# Allegro board 6089-103-RevA_73.brd (continued)
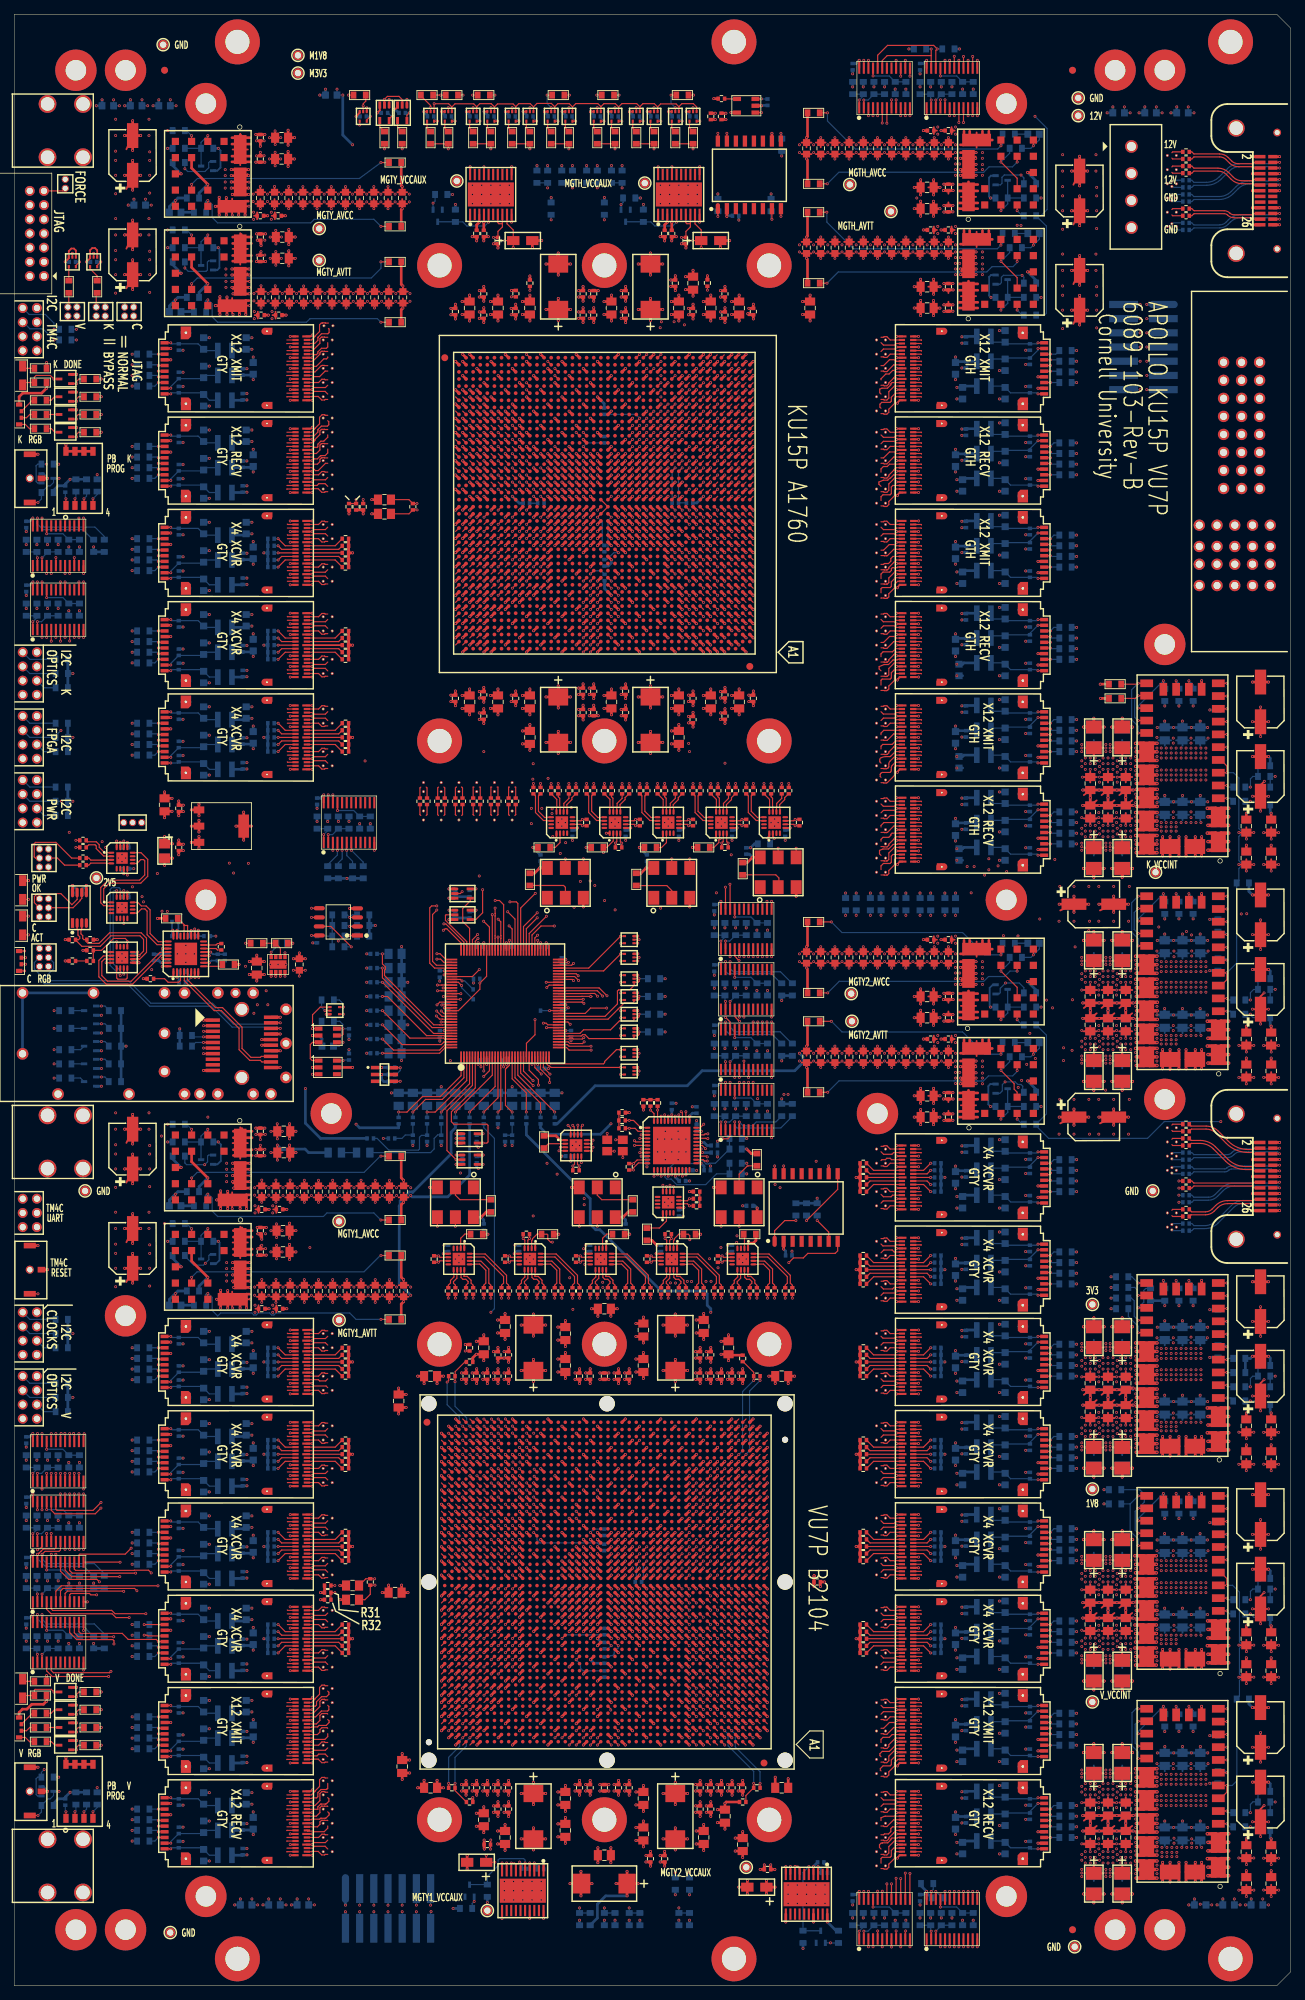
[diagram p0: board, top side]
## Nets (continued)
K_MGTY_AVCC: C18.1 C19.1 C32.1 C36.1 C48.1 C53.1 C57.1 C61.1 C65.1 C69.1 C74.1 C79.1 C85.1 C152.1 C154.1 C177.1 C180.1 C185.1 C188.1 PM6.1 R74.2 R516.1 U15.3 U65.AA32 U65.AE32 U65.AF30 U65.AG32 U65.L32 U65.M30 U65.R32 U65.T30 U65.U32 U65.V30 U65.W32 U65.Y30
K_MGTY_AVCC_OK: R589.2 U15.9 U52.76
K_MGTY_AVTT: C26.1 C27.1 C33.1 C37.1 C49.1 C54.1 C58.1 C62.1 C66.1 C70.1 C75.1 C80.1 C87.1 C99.1 C100.1 C107.1 C108.1 C118.1 C119.1 PM2.1 R76.2 R489.2 R517.1 U16.3 U65.AA36 U65.AB34 U65.AC36 U65.AD34 U65.AE36 U65.AF34 U65.AG36 U65.AH34 U65.AJ36 U65.AK34 U65.AL36 U65.AM34 U65.AN36 U65.J36 U65.K34 U65.L36 U65.M34 U65.N36 U65.P34 U65.R36 U65.T34 U65.T38 U65.U36 U65.V34 U65.V38 U65.W36 U65.Y34 U65.Y38
K_MGTY_AVTT_OK: R592.2 U16.9 U52.77
K_MGTY_VCCAUX: C129.1 C146.1 C147.1 C150.1 PM7.1 R515.1 U51.7(SENSE) U51.8 U51.9 U65.AC32 U65.AD30 U65.N32 U65.P30
K_OPTICS_I2C_SCL: J3.2 U2.22 U100.22
K_OPTICS_I2C_SDA: J3.4 U2.23 U100.23
K_TCK_1V8: R123.2 R130.2 U65.AK15
K_TDI: J14.2 U65.AJ15
K_TDO: J14.4 U65.AK16
K_TMS_1V8: R98.2 R101.2 U65.AJ17
K_VCCINT: C153.1 C163.1 C164.1 C178.1 C179.1 C186.1 C187.1 C198.1 C199.1 C207.1 C208.1 C223.1 C224.1 C239.1 C383.1 C384.1 C385.1 C386.1 C393.1 C394.1 C396.1 C397.1 C405.1 C406.1 C407.1 C408.1 C415.1 C416.1 C417.1 C418.1 C425.1 C426.1 C427.1 C428.1 C481.1 C482.1 C483.1 C484.1 C507.1 C508.1 C509.1 C510.1 C517.1 C518.1 C519.1 C520.1 C528.1 C529.1 C530.1 C531.1 C538.1 C539.1 C540.1 C541.1 C549.1 C550.1 C551.1 C552.1 C559.1 C560.1 C561.1 C562.1 C569.1 C570.1 C571.1 C572.1 PM9.1 R191.2 R482.1 R513.1 U65.AA14 U65.AA16 U65.AA18 U65.AA20 U65.AA24 U65.AA26 U65.AB15 U65.AB17 U65.AB19 U65.AB23 U65.AB25 U65.AC14 U65.AC16 U65.AC18 U65.AC20 U65.AC24 U65.AC26 U65.AD15 U65.AD17 U65.AD19 U65.AD21 U65.AD23 U65.AD25 U65.AE14 U65.AE16 U65.AE18 U65.AE20 U65.AE22 U65.AE24 U65.AE26 U65.AF15 U65.AF17 U65.AF19 U65.AF21 U65.AF23 U65.AF25 U65.AG14 U65.AG16 U65.AG18 U65.AG20 U65.AG22 U65.AG24 U65.AG26 U65.AH15 U65.AH17 U65.AH19 U65.AH21 U65.AH23 U65.AH25 U65.T15 U65.T17 U65.T19 U65.T21 U65.T23 U65.T25 U65.U14 U65.U16 U65.U18 U65.U20 U65.U22 U65.U24 U65.U26 U65.V15 U65.V17 U65.V19 U65.V21 U65.V23 U65.V25 U65.W14 U65.W16 U65.W18 U65.W20 U65.W22 U65.W24 U65.W26 U65.Y15 U65.Y17 U65.Y19 U65.Y23 U65.Y25 U122.22 U122.23 U122.25 U122.26 U123.22 U123.23 U123.25 U123.26
K_VCCINT_A_SCL: R388.1 U91.7 U122.10
K_VCCINT_A_SDA: R391.1 U91.6 U122.11
K_VCCINT_B_SCL: R380.1 U91.9 U123.10
K_VCCINT_B_SDA: R385.1 U91.8 U123.11
K_VCCINT_PG_A: U52.61 U69.4(Y)
K_VCCINT_PG_A_1: R195.2 R196.1 R216.2 U69.1
K_VCCINT_PG_A_2: R193.1 R194.2 R215.2 U69.2
K_VCCINT_PG_B: U52.60 U70.4(Y)
K_VCCINT_PG_B_1: R199.2 R200.1 R218.2 U70.1
K_VCCINT_PG_B_2: R197.1 R198.2 R217.2 U70.2
K_VCCINT_PWR_EN: R213.1 U71.4(Y) U122.5 U122.6 U123.5 U123.6
KU15P_FROM_TM4C_0: U46.4 U65.D22
KU15P_TO_TM4C_0: U45.2 U65.H22
NCDR_DAT_CML: R18.2 U8.3 U12.10
NCDR_DATA: J10.5 U8.6
NHIGH_PERF_CLK0: R127.2 U61.10 U83.7
NHIGH_PERF_CLK1: R97.2 U56.7 U61.12
NHIGH_PERF_CLK2: R147.2 U61.14 U87.7
NHIGH_PERF_CLK3: R125.2 U61.16 U68.7
NHIGH_PERF_CLK_BUF0: R110.1 U61.7 U80.12
NHIGH_PERF_CLK_BUF1: R121.1 U80.10 U81.11
NK_CDR_DATA: J10.4 U65.G24
NK_FF1_RECV0: U65.R3 U109.A17
NK_FF1_RECV1: U65.P1 U109.B17
NK_FF1_RECV2: U65.N3 U109.A14
NK_FF1_RECV3: U65.M1 U109.B14
NK_FF1_RECV4: U65.L3 U109.A11
NK_FF1_RECV5: U65.K1 U109.B11
NK_FF1_RECV6: U65.J3 U109.A8
NK_FF1_RECV7: U65.H1 U109.B8
NK_FF1_RECV8: U65.G3 U109.A5
NK_FF1_RECV9: U65.F1 U109.B5
NK_FF1_RECV10: U65.E3 U109.A2
NK_FF1_RECV11: U65.D1 U109.B2
NK_FF1_XMIT0: U65.R7 U108.B17
NK_FF1_XMIT1: U65.P5 U108.A17
NK_FF1_XMIT2: U65.N7 U108.B14
NK_FF1_XMIT3: U65.M5 U108.A14
NK_FF1_XMIT4: U65.L7 U108.B11
NK_FF1_XMIT5: U65.K5 U108.A11
NK_FF1_XMIT6: U65.J7 U108.B8
NK_FF1_XMIT7: U65.H5 U108.A8
NK_FF1_XMIT8: U65.H9 U108.B5
NK_FF1_XMIT9: U65.G7 U108.A5
NK_FF1_XMIT10: U65.F5 U108.B2
NK_FF1_XMIT11: U65.F9 U108.A2
NK_FF2_RECV0: U65.AG3 U107.A17
NK_FF2_RECV1: U65.AF1 U107.B17
NK_FF2_RECV2: U65.AE3 U107.A14
NK_FF2_RECV3: U65.AD1 U107.B14
NK_FF2_RECV4: U65.AC3 U107.A11
NK_FF2_RECV5: U65.AB1 U107.B11
NK_FF2_RECV6: U65.AA3 U107.A8
NK_FF2_RECV7: U65.Y1 U107.B8
NK_FF2_RECV8: U65.W3 U107.A5
NK_FF2_RECV9: U65.V1 U107.B5
NK_FF2_RECV10: U65.U3 U107.A2
NK_FF2_RECV11: U65.T1 U107.B2
NK_FF2_XMIT0: U65.AG7 U106.B17
NK_FF2_XMIT1: U65.AF5 U106.A17
NK_FF2_XMIT2: U65.AE7 U106.B14
NK_FF2_XMIT3: U65.AD5 U106.A14
NK_FF2_XMIT4: U65.AC7 U106.B11
NK_FF2_XMIT5: U65.AB5 U106.A11
NK_FF2_XMIT6: U65.AA7 U106.B8
NK_FF2_XMIT7: U65.Y5 U106.A8
NK_FF2_XMIT8: U65.W7 U106.B5
NK_FF2_XMIT9: U65.V5 U106.A5
NK_FF2_XMIT10: U65.U7 U106.B2
NK_FF2_XMIT11: U65.T5 U106.A2
NK_FF3_RECV0: U65.AW3 U105.A17
NK_FF3_RECV1: U65.AV1 U105.B17
NK_FF3_RECV2: U65.AU3 U105.A14
NK_FF3_RECV3: U65.AT1 U105.B14
NK_FF3_RECV4: U65.AR3 U105.A11
NK_FF3_RECV5: U65.AP1 U105.B11
NK_FF3_RECV6: U65.AN3 U105.A8
NK_FF3_RECV7: U65.AM1 U105.B8
NK_FF3_RECV8: U65.AL3 U105.A5
NK_FF3_RECV9: U65.AK1 U105.B5
NK_FF3_RECV10: U65.AJ3 U105.A2
NK_FF3_RECV11: U65.AH1 U105.B2
NK_FF3_XMIT0: U65.AT9 U104.B17
NK_FF3_XMIT1: U65.AT5 U104.A17
NK_FF3_XMIT2: U65.AR7 U104.B14
NK_FF3_XMIT3: U65.AP9 U104.A14
NK_FF3_XMIT4: U65.AP5 U104.B11
NK_FF3_XMIT5: U65.AN7 U104.A11
NK_FF3_XMIT6: U65.AM9 U104.B8
NK_FF3_XMIT7: U65.AM5 U104.A8
NK_FF3_XMIT8: U65.AL7 U104.B5
NK_FF3_XMIT9: U65.AK5 U104.A5
NK_FF3_XMIT10: U65.AJ7 U104.B2
NK_FF3_XMIT11: U65.AH5 U104.A2
NK_FF4_RECV0: U24.B18 U65.H42
NK_FF4_RECV1: U24.A18 U65.G40
NK_FF4_RECV2: U24.B15 U65.F42
NK_FF4_RECV3: U24.A15 U65.E40
NK_FF4_XMIT0: U24.A2 U65.P37
NK_FF4_XMIT1: U24.B2 U65.N35
NK_FF4_XMIT2: U24.A5 U65.M37
NK_FF4_XMIT3: U24.B5 U65.L35
NK_FF5_RECV0: U23.B18 U65.M42
NK_FF5_RECV1: U23.A18 U65.L40
NK_FF5_RECV2: U23.B15 U65.K42
NK_FF5_RECV3: U23.A15 U65.J40
NK_FF5_XMIT0: U23.A2 U65.U35
NK_FF5_XMIT1: U23.B2 U65.T37
NK_FF5_XMIT2: U23.A5 U65.R39
NK_FF5_XMIT3: U23.B5 U65.R35
NK_FF6_RECV0: U22.B18 U65.V42
NK_FF6_RECV1: U22.A18 U65.T42
NK_FF6_RECV2: U22.B15 U65.P42
NK_FF6_RECV3: U22.A15 U65.N40
NK_FF6_XMIT0: U22.A2 U65.W39
NK_FF6_XMIT1: U22.B2 U65.W35
NK_FF6_XMIT2: U22.A5 U65.V37
NK_FF6_XMIT3: U22.B5 U65.U39
NK_FF7_RECV0: U21.A17 U65.AE40
NK_FF7_RECV1: U21.B17 U65.AF42
NK_FF7_RECV2: U21.A14 U65.AG40
NK_FF7_RECV3: U21.B14 U65.AH42
NK_FF7_RECV4: U21.A11 U65.AJ40
NK_FF7_RECV5: U21.B11 U65.AK42
NK_FF7_RECV6: U21.A8 U65.AL40
NK_FF7_RECV7: U21.B8 U65.AM42
NK_FF7_RECV8: U21.A5 U65.AN40
NK_FF7_RECV9: U21.B5 U65.AP42
NK_FF7_RECV10: U21.A2 U65.AR40
NK_FF7_RECV11: U21.B2 U65.AT42
NK_FF7_XMIT0: U20.B17 U65.AC35
NK_FF7_XMIT1: U20.A17 U65.AD37
NK_FF7_XMIT2: U20.B14 U65.AE35
NK_FF7_XMIT3: U20.A14 U65.AF37
NK_FF7_XMIT4: U20.B11 U65.AF33
NK_FF7_XMIT5: U20.A11 U65.AG35
NK_FF7_XMIT6: U20.B8 U65.AH37
NK_FF7_XMIT7: U20.A8 U65.AH33
NK_FF7_XMIT8: U20.B5 U65.AJ35
NK_FF7_XMIT9: U20.A5 U65.AK37
NK_FF7_XMIT10: U20.B2 U65.AL35
NK_FF7_XMIT11: U20.A2 U65.AM37
NK_GTH_OSC: R152.1 U96.7 U97.5
NK_GTY_OSC: R112.1 U58.7 U59.5
NK_TEST_CONN_0: J18.3 U65.BB16
NK_TEST_CONN_1: J18.5 U65.BB14
NK_TEST_CONN_2: J18.7 U65.AY15
NK_TEST_CONN_3: J18.9 U65.AV14
NK_TEST_CONN_4: J18.11 U65.AR12
NK_TEST_CONN_5: J18.13 U65.AP12
NK_TTS_OUT: J11.4 U65.F23
NK_UTIL_CLK: R137.1 U79.7 U82.5
NKV_SPARE0: U65.B22 U66.BB34
NKV_SPARE1: U65.A23 U66.BC38
NKV_SPARE2: U65.B24 U66.AY36
NKV_SPARE3: U65.C21 U66.BD39
NKV_SPARE4: U65.D23 U66.AW33
NKV_SPARE5: U65.E21 U66.AW36
NKV_SPARE6: U65.J22 U66.BE36
NKV_SPARE7: U65.F20 U66.BE40
NKV_SPARE8: U65.E23 U66.AT34
NKV_SPARE9: U65.H20 U66.BF40
NKV_SPARE10: U65.L23 U66.BD34
NKV_SPARE11: U65.J20 U66.BF38
NKV_SPARE12: U65.K21 U66.BF37
NSYNTH_CLK0: R132.2 U81.19 U83.4
NSYNTH_CLK1: R100.2 U56.4 U81.24
NSYNTH_CLK2: R143.2 U81.30 U87.4
NSYNTH_CLK3: R117.2 U68.4 U81.35
NTTCIN: U13.12 U14.4
NTTCIN_CLK: U11.12 U14.25
NTTCIN_CLK1: U11.16 U12.7
NTTCIN_CLK2: U10.9 U11.2
NTTCIN_DAT: U12.3 U14.28
NTTS_OUT: J11.5 U13.19
NV_CDR_DATA: J10.6 U66.AP34
NV_FF1_RECV0: U66.AP1 U110.B18
NV_FF1_RECV1: U66.AR3 U110.A18
NV_FF1_RECV2: U66.AT1 U110.B15
NV_FF1_RECV3: U66.AU3 U110.A15
NV_FF1_XMIT0: U66.AP6 U110.A2
NV_FF1_XMIT1: U66.AR8 U110.B2
NV_FF1_XMIT2: U66.AT6 U110.A5
NV_FF1_XMIT3: U66.AU8 U110.B5
NV_FF2_RECV0: U66.AK1 U111.B18
NV_FF2_RECV1: U66.AL3 U111.A18
NV_FF2_RECV2: U66.AM1 U111.B15
NV_FF2_RECV3: U66.AN3 U111.A15
NV_FF2_XMIT0: U66.AK6 U111.A2
NV_FF2_XMIT1: U66.AL8 U111.B2
NV_FF2_XMIT2: U66.AM6 U111.A5
NV_FF2_XMIT3: U66.AN8 U111.B5
NV_FF3_RECV0: U66.AF1 U112.B18
NV_FF3_RECV1: U66.AG3 U112.A18
NV_FF3_RECV2: U66.AH1 U112.B15
NV_FF3_RECV3: U66.AJ3 U112.A15
NV_FF3_XMIT0: U66.AF6 U112.A2
NV_FF3_XMIT1: U66.AG8 U112.B2
NV_FF3_XMIT2: U66.AH6 U112.A5
NV_FF3_XMIT3: U66.AJ8 U112.B5
NV_FF4_RECV0: U66.AB1 U113.B18
NV_FF4_RECV1: U66.AC3 U113.A18
NV_FF4_RECV2: U66.AD1 U113.B15
NV_FF4_RECV3: U66.AE3 U113.A15
NV_FF4_XMIT0: U66.AB6 U113.A2
NV_FF4_XMIT1: U66.AC8 U113.B2
NV_FF4_XMIT2: U66.AD6 U113.A5
NV_FF4_XMIT3: U66.AE8 U113.B5
NV_FF5_RECV0: U66.V1 U114.B18
NV_FF5_RECV1: U66.W3 U114.A18
NV_FF5_RECV2: U66.Y1 U114.B15
NV_FF5_RECV3: U66.AA3 U114.A15
NV_FF5_XMIT0: U66.V6 U114.A2
NV_FF5_XMIT1: U66.W8 U114.B2
NV_FF5_XMIT2: U66.Y6 U114.A5
NV_FF5_XMIT3: U66.AA8 U114.B5
NV_FF6_RECV0: U66.P1 U115.B18
NV_FF6_RECV1: U66.R3 U115.A18
NV_FF6_RECV2: U66.T1 U115.B15
NV_FF6_RECV3: U66.U3 U115.A15
NV_FF6_XMIT0: U66.P6 U115.A2
NV_FF6_XMIT1: U66.R8 U115.B2
NV_FF6_XMIT2: U66.T6 U115.A5
NV_FF6_XMIT3: U66.U8 U115.B5
NV_FF7_RECV0: U25.B18 U66.AU46
NV_FF7_RECV1: U25.A18 U66.AT44
NV_FF7_RECV2: U25.B15 U66.AR46
NV_FF7_RECV3: U25.A15 U66.AP44
NV_FF7_XMIT0: U25.A2 U66.AU41
NV_FF7_XMIT1: U25.B2 U66.AT39
NV_FF7_XMIT2: U25.A5 U66.AR41
NV_FF7_XMIT3: U25.B5 U66.AP39
NV_FF8_RECV0: U26.B18 U66.AN46
NV_FF8_RECV1: U26.A18 U66.AM44
NV_FF8_RECV2: U26.B15 U66.AL46
NV_FF8_RECV3: U26.A15 U66.AK44
NV_FF8_XMIT0: U26.A2 U66.AN41
NV_FF8_XMIT1: U26.B2 U66.AM39
NV_FF8_XMIT2: U26.A5 U66.AL41
NV_FF8_XMIT3: U26.B5 U66.AK39
NV_FF9_RECV0: U27.B18 U66.AJ46
NV_FF9_RECV1: U27.A18 U66.AH44
NV_FF9_RECV2: U27.B15 U66.AG46
NV_FF9_RECV3: U27.A15 U66.AF44
NV_FF9_XMIT0: U27.A2 U66.AJ41
NV_FF9_XMIT1: U27.B2 U66.AH39
NV_FF9_XMIT2: U27.A5 U66.AG41
NV_FF9_XMIT3: U27.B5 U66.AF39
NV_FF10_RECV0: U28.B18 U66.AA46
NV_FF10_RECV1: U28.A18 U66.Y44
NV_FF10_RECV2: U28.B15 U66.W46
NV_FF10_RECV3: U28.A15 U66.V44
NV_FF10_XMIT0: U28.A2 U66.AA41
NV_FF10_XMIT1: U28.B2 U66.Y39
NV_FF10_XMIT2: U28.A5 U66.W41
NV_FF10_XMIT3: U28.B5 U66.V39
NV_FF11_RECV0: U66.N3 U117.A17
NV_FF11_RECV1: U66.M1 U117.B17
NV_FF11_RECV2: U66.L3 U117.A14
NV_FF11_RECV3: U66.K1 U117.B14
NV_FF11_RECV4: U66.J3 U117.A11
NV_FF11_RECV5: U66.H1 U117.B11
NV_FF11_RECV6: U66.G3 U117.A8
NV_FF11_RECV7: U66.F1 U117.B8
NV_FF11_RECV8: U66.E3 U117.A5
NV_FF11_RECV9: U66.D1 U117.B5
NV_FF11_RECV10: U66.C3 U117.A2
NV_FF11_RECV11: U66.A4 U117.B2
NV_FF11_XMIT0: U66.N8 U116.B17
NV_FF11_XMIT1: U66.M6 U116.A17
NV_FF11_XMIT2: U66.L8 U116.B14
NV_FF11_XMIT3: U66.K6 U116.A14
NV_FF11_XMIT4: U66.J8 U116.B11
NV_FF11_XMIT5: U66.H6 U116.A11
NV_FF11_XMIT6: U66.G8 U116.B8
NV_FF11_XMIT7: U66.F6 U116.A8
NV_FF11_XMIT8: U66.E8 U116.B5
NV_FF11_XMIT9: U66.D6 U116.A5
NV_FF11_XMIT10: U66.C8 U116.B2
NV_FF11_XMIT11: U66.A8 U116.A2
NV_FF12_RECV0: U30.A17 U66.D46
NV_FF12_RECV1: U30.B17 U66.F46
NV_FF12_RECV2: U30.A14 U66.H44
NV_FF12_RECV3: U30.B14 U66.J46
NV_FF12_RECV4: U30.A11 U66.K44
NV_FF12_RECV5: U30.B11 U66.L46
NV_FF12_RECV6: U30.A8 U66.M44
NV_FF12_RECV7: U30.B8 U66.N46
NV_FF12_RECV8: U30.A5 U66.P44
NV_FF12_RECV9: U30.B5 U66.R46
NV_FF12_RECV10: U30.A2 U66.T44
NV_FF12_RECV11: U30.B2 U66.U46
NV_FF12_XMIT0: U29.B17 U66.A43
NV_FF12_XMIT1: U29.A17 U66.C43
NV_FF12_XMIT2: U29.B14 U66.E43
NV_FF12_XMIT3: U29.A14 U66.G41
NV_FF12_XMIT4: U29.B11 U66.J41
NV_FF12_XMIT5: U29.A11 U66.L41
NV_FF12_XMIT6: U29.B8 U66.M39
NV_FF12_XMIT7: U29.A8 U66.N41
NV_FF12_XMIT8: U29.B5 U66.P39
NV_FF12_XMIT9: U29.A5 U66.R41
NV_FF12_XMIT10: U29.B2 U66.T39
NV_FF12_XMIT11: U29.A2 U66.U41
NV_GTY1_OSC: R142.1 U88.5 U89.7
NV_GTY2_OSC: R84.1 U43.5 U44.7
NV_TEST_CONN_0: J19.3 U66.B26
NV_TEST_CONN_1: J19.5 U66.A25
NV_TEST_CONN_2: J19.7 U66.A24
NV_TEST_CONN_3: J19.9 U66.A22
NV_TEST_CONN_4: J19.11 U66.B22
NV_TEST_CONN_5: J19.13 U66.F23
NV_TTS_OUT: J11.6 U66.AR33
NV_UTIL_CLK: R111.1 U63.5 U64.7
NXTAL: U81.6 X1.3
PCDR_DAT_CML: R12.2 U8.2 U12.11
PCDR_DATA: J10.2 U8.7
PHIGH_PERF_CLK0: R127.1 U61.9 U83.6
PHIGH_PERF_CLK1: R97.1 U56.6 U61.11
PHIGH_PERF_CLK2: R147.1 U61.13 U87.6
PHIGH_PERF_CLK3: R125.1 U61.15 U68.6
PHIGH_PERF_CLK_BUF0: R110.2 U61.6 U80.11
PHIGH_PERF_CLK_BUF1: R121.2 U80.9 U81.10
PK_CDR_DATA: J10.1 U65.H24
PK_FF1_RECV0: U65.R4 U109.A18
PK_FF1_RECV1: U65.P2 U109.B18
PK_FF1_RECV2: U65.N4 U109.A15
PK_FF1_RECV3: U65.M2 U109.B15
PK_FF1_RECV4: U65.L4 U109.A12
PK_FF1_RECV5: U65.K2 U109.B12
PK_FF1_RECV6: U65.J4 U109.A9
PK_FF1_RECV7: U65.H2 U109.B9
PK_FF1_RECV8: U65.G4 U109.A6
PK_FF1_RECV9: U65.F2 U109.B6
PK_FF1_RECV10: U65.E4 U109.A3
PK_FF1_RECV11: U65.D2 U109.B3
PK_FF1_XMIT0: U65.R8 U108.B18
PK_FF1_XMIT1: U65.P6 U108.A18
PK_FF1_XMIT2: U65.N8 U108.B15
PK_FF1_XMIT3: U65.M6 U108.A15
PK_FF1_XMIT4: U65.L8 U108.B12
PK_FF1_XMIT5: U65.K6 U108.A12
PK_FF1_XMIT6: U65.J8 U108.B9
PK_FF1_XMIT7: U65.H6 U108.A9
PK_FF1_XMIT8: U65.H10 U108.B6
PK_FF1_XMIT9: U65.G8 U108.A6
PK_FF1_XMIT10: U65.F6 U108.B3
PK_FF1_XMIT11: U65.F10 U108.A3
PK_FF2_RECV0: U65.AG4 U107.A18
PK_FF2_RECV1: U65.AF2 U107.B18
PK_FF2_RECV2: U65.AE4 U107.A15
PK_FF2_RECV3: U65.AD2 U107.B15
PK_FF2_RECV4: U65.AC4 U107.A12
PK_FF2_RECV5: U65.AB2 U107.B12
PK_FF2_RECV6: U65.AA4 U107.A9
PK_FF2_RECV7: U65.Y2 U107.B9
PK_FF2_RECV8: U65.W4 U107.A6
PK_FF2_RECV9: U65.V2 U107.B6
PK_FF2_RECV10: U65.U4 U107.A3
PK_FF2_RECV11: U65.T2 U107.B3
PK_FF2_XMIT0: U65.AG8 U106.B18
PK_FF2_XMIT1: U65.AF6 U106.A18
PK_FF2_XMIT2: U65.AE8 U106.B15
PK_FF2_XMIT3: U65.AD6 U106.A15
PK_FF2_XMIT4: U65.AC8 U106.B12
PK_FF2_XMIT5: U65.AB6 U106.A12
PK_FF2_XMIT6: U65.AA8 U106.B9
PK_FF2_XMIT7: U65.Y6 U106.A9
PK_FF2_XMIT8: U65.W8 U106.B6
PK_FF2_XMIT9: U65.V6 U106.A6
PK_FF2_XMIT10: U65.U8 U106.B3
PK_FF2_XMIT11: U65.T6 U106.A3
PK_FF3_RECV0: U65.AW4 U105.A18
PK_FF3_RECV1: U65.AV2 U105.B18
PK_FF3_RECV2: U65.AU4 U105.A15
PK_FF3_RECV3: U65.AT2 U105.B15
PK_FF3_RECV4: U65.AR4 U105.A12
PK_FF3_RECV5: U65.AP2 U105.B12
PK_FF3_RECV6: U65.AN4 U105.A9
PK_FF3_RECV7: U65.AM2 U105.B9
PK_FF3_RECV8: U65.AL4 U105.A6
PK_FF3_RECV9: U65.AK2 U105.B6
PK_FF3_RECV10: U65.AJ4 U105.A3
PK_FF3_RECV11: U65.AH2 U105.B3
PK_FF3_XMIT0: U65.AT10 U104.B18
PK_FF3_XMIT1: U65.AT6 U104.A18
PK_FF3_XMIT2: U65.AR8 U104.B15
PK_FF3_XMIT3: U65.AP10 U104.A15
PK_FF3_XMIT4: U65.AP6 U104.B12
PK_FF3_XMIT5: U65.AN8 U104.A12
PK_FF3_XMIT6: U65.AM10 U104.B9
PK_FF3_XMIT7: U65.AM6 U104.A9
PK_FF3_XMIT8: U65.AL8 U104.B6
PK_FF3_XMIT9: U65.AK6 U104.A6
PK_FF3_XMIT10: U65.AJ8 U104.B3
PK_FF3_XMIT11: U65.AH6 U104.A3
PK_FF4_RECV0: U24.B17 U65.H41
PK_FF4_RECV1: U24.A17 U65.G39
PK_FF4_RECV2: U24.B14 U65.F41
PK_FF4_RECV3: U24.A14 U65.E39
PK_FF4_XMIT0: U24.A3 U65.P36
PK_FF4_XMIT1: U24.B3 U65.N34
PK_FF4_XMIT2: U24.A6 U65.M36
PK_FF4_XMIT3: U24.B6(TX4P) U65.L34
PK_FF5_RECV0: U23.B17 U65.M41
PK_FF5_RECV1: U23.A17 U65.L39
PK_FF5_RECV2: U23.B14 U65.K41
PK_FF5_RECV3: U23.A14 U65.J39
PK_FF5_XMIT0: U23.A3 U65.U34
PK_FF5_XMIT1: U23.B3 U65.T36
PK_FF5_XMIT2: U23.A6 U65.R38
PK_FF5_XMIT3: U23.B6(TX4P) U65.R34
PK_FF6_RECV0: U22.B17 U65.V41
PK_FF6_RECV1: U22.A17 U65.T41
PK_FF6_RECV2: U22.B14 U65.P41
PK_FF6_RECV3: U22.A14 U65.N39
PK_FF6_XMIT0: U22.A3 U65.W38
PK_FF6_XMIT1: U22.B3 U65.W34
PK_FF6_XMIT2: U22.A6 U65.V36
PK_FF6_XMIT3: U22.B6(TX4P) U65.U38
PK_FF7_RECV0: U21.A18 U65.AE39
PK_FF7_RECV1: U21.B18 U65.AF41
PK_FF7_RECV2: U21.A15 U65.AG39
PK_FF7_RECV3: U21.B15 U65.AH41
PK_FF7_RECV4: U21.A12 U65.AJ39
PK_FF7_RECV5: U21.B12 U65.AK41
PK_FF7_RECV6: U21.A9 U65.AL39
PK_FF7_RECV7: U21.B9 U65.AM41
PK_FF7_RECV8: U21.A6 U65.AN39
PK_FF7_RECV9: U21.B6 U65.AP41
PK_FF7_RECV10: U21.A3 U65.AR39
PK_FF7_RECV11: U21.B3 U65.AT41
PK_FF7_XMIT0: U20.B18 U65.AC34
PK_FF7_XMIT1: U20.A18 U65.AD36
PK_FF7_XMIT2: U20.B15 U65.AE34
PK_FF7_XMIT3: U20.A15 U65.AF36
PK_FF7_XMIT4: U20.B12 U65.AF32
PK_FF7_XMIT5: U20.A12 U65.AG34
PK_FF7_XMIT6: U20.B9 U65.AH36
PK_FF7_XMIT7: U20.A9 U65.AH32
PK_FF7_XMIT8: U20.B6 U65.AJ34
PK_FF7_XMIT9: U20.A6 U65.AK36
PK_FF7_XMIT10: U20.B3 U65.AL34
PK_FF7_XMIT11: U20.A3 U65.AM36
PK_GTH_OSC: R152.2 U96.6 U97.4
PK_GTY_OSC: R112.2 U58.6 U59.4
PK_TEST_CONN_0: J18.4 U65.BB17
PK_TEST_CONN_1: J18.6 U65.BA14
PK_TEST_CONN_2: J18.8 U65.AY16
PK_TEST_CONN_3: J18.10 U65.AU14
PK_TEST_CONN_4: J18.12 U65.AR13
PK_TEST_CONN_5: J18.14 U65.AP13
PK_TTS_OUT: J11.1 U65.G23
PK_UTIL_CLK: R137.2 U79.6 U82.4
PKV_SPARE0: U65.B23 U66.BA34
PKV_SPARE1: U65.A24 U66.BB38
PKV_SPARE2: U65.C24 U66.AY35
PKV_SPARE3: U65.C22 U66.BC39
PKV_SPARE4: U65.D24 U66.AV33
PKV_SPARE5: U65.E22 U66.AW35
PKV_SPARE6: U65.K22 U66.BD36
PKV_SPARE7: U65.F21 U66.BD40
PKV_SPARE8: U65.F24 U66.AT33
PKV_SPARE9: U65.H21 U66.BF39
PKV_SPARE10: U65.L24 U66.BC34
PKV_SPARE11: U65.K20 U66.BE38
PKV_SPARE12: U65.L21 U66.BE37
PSYNTH_CLK0: R132.1 U81.20 U83.3
PSYNTH_CLK1: R100.1 U56.3 U81.25
PSYNTH_CLK2: R143.1 U81.31 U87.3
PSYNTH_CLK3: R117.1 U68.3 U81.36
PTTCIN: U13.13 U14.5
PTTCIN_CLK: U11.9 U14.26
PTTCIN_CLK1: U11.15 U12.6
PTTCIN_CLK2: U10.12 U11.1
PTTCIN_DAT: U12.2 U14.29
PTTS_OUT: J11.2 U13.18
PV_CDR_DATA: J10.3 U66.AN34
PV_FF1_RECV0: U66.AP2 U110.B17
PV_FF1_RECV1: U66.AR4 U110.A17
PV_FF1_RECV2: U66.AT2 U110.B14
PV_FF1_RECV3: U66.AU4 U110.A14
PV_FF1_XMIT0: U66.AP7 U110.A3
PV_FF1_XMIT1: U66.AR9 U110.B3
PV_FF1_XMIT2: U66.AT7 U110.A6
PV_FF1_XMIT3: U66.AU9 U110.B6(TX4P)
PV_FF2_RECV0: U66.AK2 U111.B17
PV_FF2_RECV1: U66.AL4 U111.A17
PV_FF2_RECV2: U66.AM2 U111.B14
PV_FF2_RECV3: U66.AN4 U111.A14
PV_FF2_XMIT0: U66.AK7 U111.A3
PV_FF2_XMIT1: U66.AL9 U111.B3
PV_FF2_XMIT2: U66.AM7 U111.A6
PV_FF2_XMIT3: U66.AN9 U111.B6(TX4P)
PV_FF3_RECV0: U66.AF2 U112.B17
PV_FF3_RECV1: U66.AG4 U112.A17
PV_FF3_RECV2: U66.AH2 U112.B14
PV_FF3_RECV3: U66.AJ4 U112.A14
PV_FF3_XMIT0: U66.AF7 U112.A3
PV_FF3_XMIT1: U66.AG9 U112.B3
PV_FF3_XMIT2: U66.AH7 U112.A6
PV_FF3_XMIT3: U66.AJ9 U112.B6(TX4P)
PV_FF4_RECV0: U66.AB2 U113.B17
PV_FF4_RECV1: U66.AC4 U113.A17
PV_FF4_RECV2: U66.AD2 U113.B14
PV_FF4_RECV3: U66.AE4 U113.A14
PV_FF4_XMIT0: U66.AB7 U113.A3
PV_FF4_XMIT1: U66.AC9 U113.B3
PV_FF4_XMIT2: U66.AD7 U113.A6
PV_FF4_XMIT3: U66.AE9 U113.B6(TX4P)
PV_FF5_RECV0: U66.V2 U114.B17
PV_FF5_RECV1: U66.W4 U114.A17
PV_FF5_RECV2: U66.Y2 U114.B14
PV_FF5_RECV3: U66.AA4 U114.A14
PV_FF5_XMIT0: U66.V7 U114.A3
PV_FF5_XMIT1: U66.W9 U114.B3
PV_FF5_XMIT2: U66.Y7 U114.A6
PV_FF5_XMIT3: U66.AA9 U114.B6(TX4P)
PV_FF6_RECV0: U66.P2 U115.B17
PV_FF6_RECV1: U66.R4 U115.A17
PV_FF6_RECV2: U66.T2 U115.B14
PV_FF6_RECV3: U66.U4 U115.A14
PV_FF6_XMIT0: U66.P7 U115.A3
PV_FF6_XMIT1: U66.R9 U115.B3
PV_FF6_XMIT2: U66.T7 U115.A6
PV_FF6_XMIT3: U66.U9 U115.B6(TX4P)
PV_FF7_RECV0: U25.B17 U66.AU45
PV_FF7_RECV1: U25.A17 U66.AT43
PV_FF7_RECV2: U25.B14 U66.AR45
PV_FF7_RECV3: U25.A14 U66.AP43
PV_FF7_XMIT0: U25.A3 U66.AU40
PV_FF7_XMIT1: U25.B3 U66.AT38
PV_FF7_XMIT2: U25.A6 U66.AR40
PV_FF7_XMIT3: U25.B6(TX4P) U66.AP38
PV_FF8_RECV0: U26.B17 U66.AN45
PV_FF8_RECV1: U26.A17 U66.AM43
PV_FF8_RECV2: U26.B14 U66.AL45
PV_FF8_RECV3: U26.A14 U66.AK43
PV_FF8_XMIT0: U26.A3 U66.AN40
PV_FF8_XMIT1: U26.B3 U66.AM38
PV_FF8_XMIT2: U26.A6 U66.AL40
PV_FF8_XMIT3: U26.B6(TX4P) U66.AK38
PV_FF9_RECV0: U27.B17 U66.AJ45
PV_FF9_RECV1: U27.A17 U66.AH43
PV_FF9_RECV2: U27.B14 U66.AG45
PV_FF9_RECV3: U27.A14 U66.AF43
PV_FF9_XMIT0: U27.A3 U66.AJ40
PV_FF9_XMIT1: U27.B3 U66.AH38
PV_FF9_XMIT2: U27.A6 U66.AG40
PV_FF9_XMIT3: U27.B6(TX4P) U66.AF38
PV_FF10_RECV0: U28.B17 U66.AA45
PV_FF10_RECV1: U28.A17 U66.Y43
PV_FF10_RECV2: U28.B14 U66.W45
PV_FF10_RECV3: U28.A14 U66.V43
PV_FF10_XMIT0: U28.A3 U66.AA40
PV_FF10_XMIT1: U28.B3 U66.Y38
PV_FF10_XMIT2: U28.A6 U66.W40
PV_FF10_XMIT3: U28.B6(TX4P) U66.V38
PV_FF11_RECV0: U66.N4 U117.A18
PV_FF11_RECV1: U66.M2 U117.B18
PV_FF11_RECV2: U66.L4 U117.A15
PV_FF11_RECV3: U66.K2 U117.B15
PV_FF11_RECV4: U66.J4 U117.A12
PV_FF11_RECV5: U66.H2 U117.B12
PV_FF11_RECV6: U66.G4 U117.A9
PV_FF11_RECV7: U66.F2 U117.B9
PV_FF11_RECV8: U66.E4 U117.A6
PV_FF11_RECV9: U66.D2 U117.B6
PV_FF11_RECV10: U66.C4 U117.A3
PV_FF11_RECV11: U66.A5 U117.B3
PV_FF11_XMIT0: U66.N9 U116.B18
PV_FF11_XMIT1: U66.M7 U116.A18
PV_FF11_XMIT2: U66.L9 U116.B15
PV_FF11_XMIT3: U66.K7 U116.A15
PV_FF11_XMIT4: U66.J9 U116.B12
PV_FF11_XMIT5: U66.H7 U116.A12
PV_FF11_XMIT6: U66.G9 U116.B9
PV_FF11_XMIT7: U66.F7 U116.A9
PV_FF11_XMIT8: U66.E9 U116.B6
PV_FF11_XMIT9: U66.D7 U116.A6
PV_FF11_XMIT10: U66.C9 U116.B3
PV_FF11_XMIT11: U66.A9 U116.A3
PV_FF12_RECV0: U30.A18 U66.D45
PV_FF12_RECV1: U30.B18 U66.F45
PV_FF12_RECV2: U30.A15 U66.H43
PV_FF12_RECV3: U30.B15 U66.J45
PV_FF12_RECV4: U30.A12 U66.K43
PV_FF12_RECV5: U30.B12 U66.L45
PV_FF12_RECV6: U30.A9 U66.M43
PV_FF12_RECV7: U30.B9 U66.N45
PV_FF12_RECV8: U30.A6 U66.P43
PV_FF12_RECV9: U30.B6 U66.R45
PV_FF12_RECV10: U30.A3 U66.T43
PV_FF12_RECV11: U30.B3 U66.U45
PV_FF12_XMIT0: U29.B18 U66.A42
PV_FF12_XMIT1: U29.A18 U66.C42
PV_FF12_XMIT2: U29.B15 U66.E42
PV_FF12_XMIT3: U29.A15 U66.G40
PV_FF12_XMIT4: U29.B12 U66.J40
PV_FF12_XMIT5: U29.A12 U66.L40
PV_FF12_XMIT6: U29.B9 U66.M38
PV_FF12_XMIT7: U29.A9 U66.N40
PV_FF12_XMIT8: U29.B6 U66.P38
PV_FF12_XMIT9: U29.A6 U66.R40
PV_FF12_XMIT10: U29.B3 U66.T38
PV_FF12_XMIT11: U29.A3 U66.U40
PV_GTY1_OSC: R142.2 U88.4 U89.6
PV_GTY2_OSC: R84.2 U43.4 U44.6
PV_TEST_CONN_0: J19.4 U66.C26
PV_TEST_CONN_1: J19.6 U66.B25
PV_TEST_CONN_2: J19.8 U66.B24
PV_TEST_CONN_3: J19.10 U66.A23
PV_TEST_CONN_4: J19.12 U66.C22
PV_TEST_CONN_5: J19.14 U66.F24
PV_TTS_OUT: J11.3 U66.AP33
PV_UTIL_CLK: R111.2 U63.4 U64.6
PWR_I2C_SCL: J5.2 U91.22
PWR_I2C_SDA: J5.4 U91.23
PXTAL: U81.5 X1.1
SFP_MOD_ABS: U6.5 U13.6
SFP_RX_RATE: U6.16 U13.7
SFP_SCL: R588.1 U4.20 U13.5
SFP_SDA: R587.1 U4.19 U13.4
SFP_TX_DISABLE: U6.15 U13.3
SFP_TX_FAULT: U6.4 U13.2
TDI_1V8: J14.1 R25.2
TDI_3V3: J15.1 R83.2 R85.2
TM4C_ACTIVE: Q22.1 R646.1 U34.4(Y) U52.70
TM4C_DIP_SW_1: R653.2 SW4.4 U52.82
TM4C_DIP_SW_2: R654.2 SW5.4 U52.11
TM4C_FROM_KU15P_0: U45.4 U52.93
TM4C_FROM_VU7P_0: U47.4 U52.6